# Altium PCB PCB1.PcbDoc (part 1 of 2)
Units mil, origin at the board's own origin, x right, y up, seen from the top; angles counter-clockwise.
Board outline 5511.81 x 2362.21 mil, 2 copper layers (Top Layer, Bottom Layer); 113 components, 117 nets, 483 pads, 150 vias.
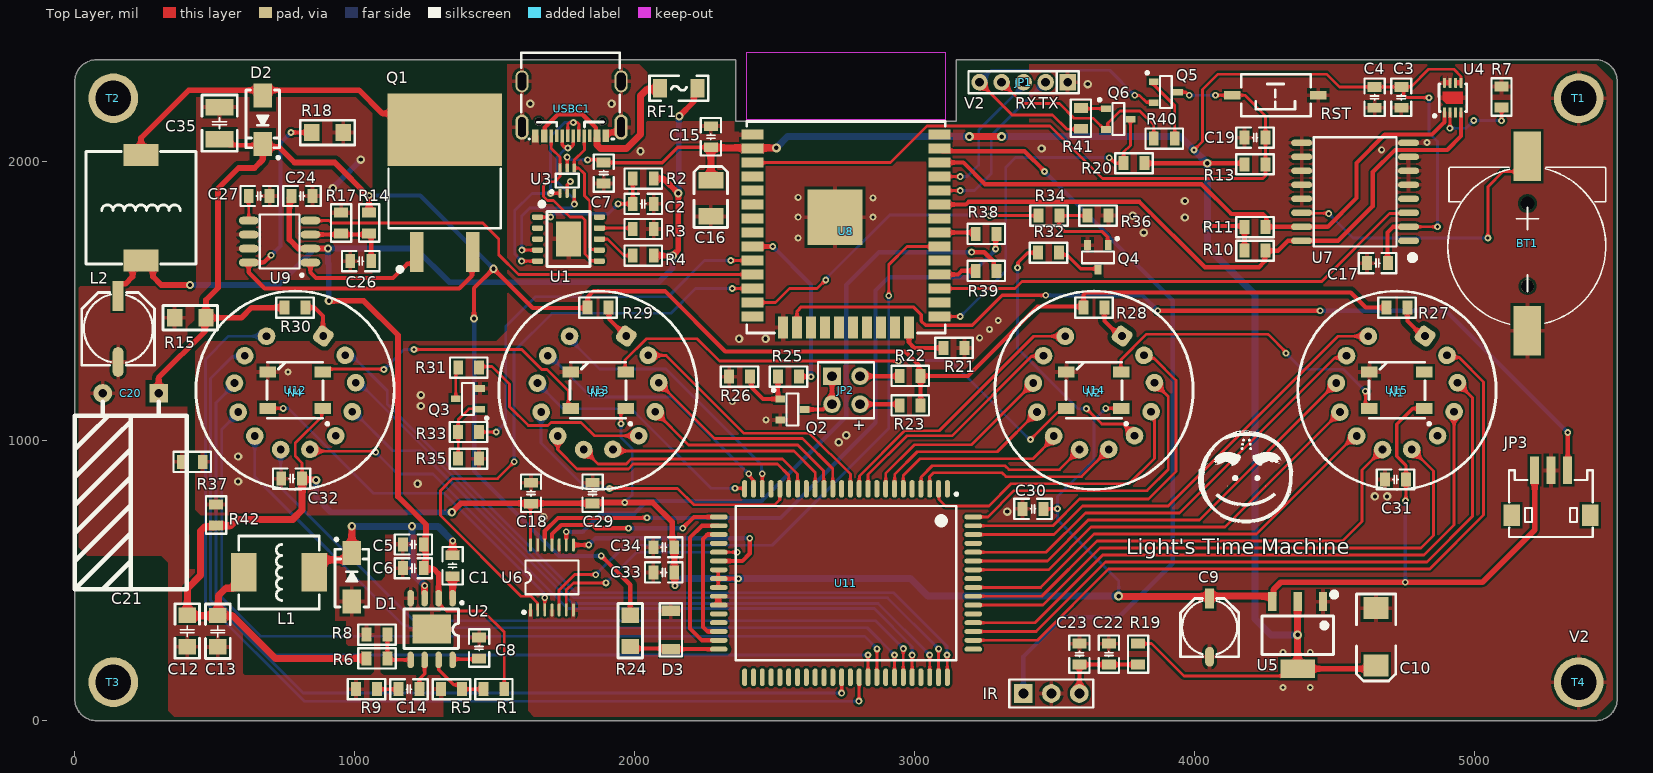
[diagram p0: Top Layer view]
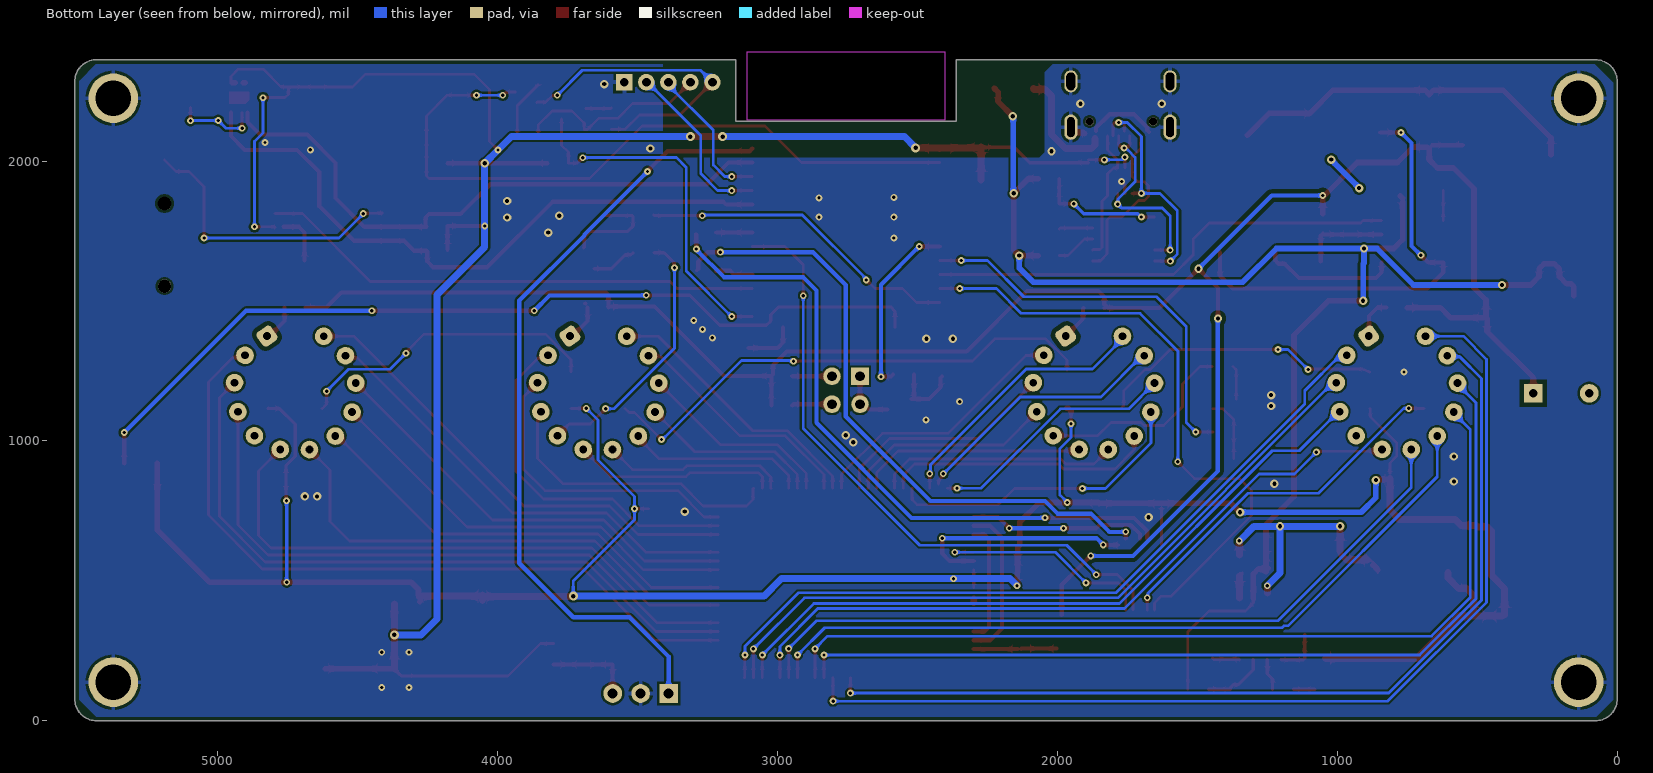
[diagram p1: Bottom Layer view, seen from below]

## Layer stack, top to bottom
Top Solder: solder mask 0.4, Solder Resist, Dk 3.5
Top Layer: signal copper 1.4
Dielectric 1: dielectric 12.6, FR-4, Dk 4.8
Bottom Layer: signal copper 1.4
Bottom Solder: solder mask 0.4, Solder Resist, Dk 3.5

## Board outline
0,78.74 0,2283.46 cw(c78.74,2283.46) 78.74,2362.2 2362.2,2362.2 2362.2,2142.2 3149.61,2142.2 3149.61,2362.2 5433.07,2362.21 cw(c5433.07,2283.46) 5511.81,2283.46 5511.81,78.74 cw(c5433.07,78.74) 5433.07,0 78.74,0 cw(c78.74,78.74)

## Design rules (kind name [scope] priority, off if disabled: settings)
Clearance HV_Clearance [InNetClass('HV')] p1: gap=15 ignorepadtopadclearanceinfootprint=TRUE
Clearance [All] p2: gap=8 ignorepadtopadclearanceinfootprint=TRUE
PlaneConnect [All] p1: planeconnectstyle=Relief reliefexpansion=20 reliefentries=4 reliefconductorwidth=15 reliefairgap=10
PolygonConnect [All] p1: thpad.connectstyle=Relief thpad.reliefconductorwidth=15 thpad.reliefentries=4 thpad.polygonreliefangle="90 Angle" thpad.airgapwidth=10 smdpad.connectstyle=Relief smdpad.reliefconductorwidth=15 smdpad.reliefentries=4 smdpad.polygonreliefangle="90 Angle" smdpad.airgapwidth=10 via.connectstyle=Direct via.reliefconductorwidth=15 via.reliefentries=4 via.polygonreliefangle="90 Angle" via.airgapwidth=10
RoutingVias [All] p1: holewidth=15 width=30 viastyle="Through Hole" minholewidth=12 minwidth=24 maxholewidth=20 maxwidth=42
SolderMaskExpansion [All] p1: expansion=4 istentingtop=FALSE
Width PWR [InNetClass('PWR')] p1: maxlimit=50 minlimit=10 preferedwidth=20
Width [InNetClass('All Nets')] p2: maxlimit=50 minlimit=10 preferedwidth=10
29 further rules are at their usual default settings.

## Classes and differential pairs
net class HV: NetD2_1 NetD3_2 NetN1_13 NetN2_13 NetN3_13 NetN4_13 VH
net class GND: DGND GND
net class PWR: DGND GND V3.3 V5 V12 VBUS VH

## Components (designator, comment, footprint, x,y, rotation, side; value= is the part's Value field where it differs from the comment)
BT1 "CR1220 holder" BAT1220 5190.84,1695 r180 top
C1 "Cap" "C 0805_L" 1350.24,554.09 r270 top value=10nF
C2 "Cap" "C 0805_L" 2031.66,1847.21 r0 top value=1uF
C3 "Cap" "C 0805_L" 4740,2227.6 r90 top value=0.1uF
C4 "Cap" "C 0805_L" 4645,2227.6 r90 top value=4.7uF
C5 "Cap" "C 0805_L" 1210,630 r0 top value=10μF
C6 "Cap" "C 0805_L" 1210,545 r0 top value=10μF
C7 "Cap" "C 0805_L" 1890.24,1956.9 r90 top value=0.1uF
C8 "Cap" "C 0805_L" 1445.24,260.15 r270 top value=0.1uF
C9 "Cap Pol1" "CM C(5*5.4)" 4055.12,333 r90 top value=33μF
C10 "Cap Pol1" "CD C(6032)" 4650,300 r90 top value=22uF
C12 "Cap" "C 1206_L" 402.16,320 r90 top value=22μF
C13 "Cap" "C 1206_L" 511.52,318.94 r90 top value=22μF
C14 "Cap" "C 0805_L" 1194.31,112.76 r0 top value=4.7nF
C15 "Cap" "C 0805_L" 2273.02,2086.99 r90 top value=0.1uF
C16 "Cap Pol1" "CD B(3528)" 2272.97,1867.14 r270 top value=33μF
C17 "Cap" "C 0805_L" 4655,1635 r180 top value=0.1uF
C18 "Cap" "C 0805_L" 1630.44,813.2 r90 top value=0.1uF
C19 "Cap" "C 0805_L" 4217.46,2083.5 r0 top value=1μF
C20 "Cap Pol1" "CAP 5.0*10*16-H - GD" 200,1170 r180 top value="22μF 250V"
C21 "Cap Pol1" "CM D(6.3*7.7)" 155,1400 r90 top value="220uF 16V"
C22 "Cap" "C 0805_L" 3695,238.15 r90 top value=0.1uF
C23 "Cap" "C 0805_L" 3590,238.15 r90 top value=10μF
C24 "Cap" "C 0805_L" 812,1874.99 r180 top value=0.1uF
C26 "Cap" "C 0805_L" 1021.81,1642.21 r0 top value=0.1uF
C27 "Cap" "C 0805_L" 658.93,1875 r0 top value=0.1uF
C29 "Cap" "C 0805_L" 1850.59,813.2 r270 top value=0.1uF
C30 "Cap" "C 0805_L" 3424.22,757.21 r0 top value=0.1uF
C31 "Cap" "C 0805_L" 4719.41,862.2 r0 top value=0.1uF
C32 "Cap" "C 0805_L" 775,865 r0 top value=0.1uF
C33 "Cap" "C 0805_L" 2105,530 r180 top value=0.1uF
C34 "Cap" "C 0805_L" 2105,620 r0 top value=4.7uF
C35 "Cap" "C 1210_L" 517.5,2135.21 r270 top value=1μF
D1 "SK34" SMA 990.24,512.76 r90 top
D2 "US1G" SMA 671.81,2147.21 r270 top
D3 "ZMM75" LL-34 2130,325 r270 top
IR "IR Recv" "HDR2.54-LI-3P - duplicate" 3489.54,97.5 r0 top
JP1 "HDR-1X5" HDR2.0-LI-5P 3390.55,2281.69 r180 top
JP2 "Header2X2" HDR2.54-LI-2x2P 2755.91,1181.1 r270 top
JP3 "HDR-1X3" ZH1.5-WS-3P 5275,735 r0 top
L1 "10uH" CKST0603 730,530 r180 top value=15μH
L2 "Inductor Iron" CD104 236.81,1833.43 r90 top value=150uH
N1 "ИН-8-2" IN8-2 4724.41,1181.1 r180 top locked
N2 "ИН-8-2" IN8-2 3641.73,1181.1 r180 top locked
N3 "ИН-8-2" IN8-2 1870.08,1181.1 r180 top locked
N4 "ИН-8-2" IN8-2 787.4,1181.1 r180 top locked
Q1 "IRF740" TO-263-2L 1321.81,1922.91 r90 top
Q2 "A42" SOT-23-3L 2560.24,1112.21 r0 top
Q3 "A42" SOT-23-3L 1408.84,1150 r180 top
Q4 "A42" SOT-23-3L 3656.24,1659.91 r270 top
Q5 "S8050" SOT-23-3L 3895,2246.33 r0 top
Q6 "S8050" SOT-23-3L 3725,2150 r0 top
R1 "Resistor" "R 0805_L" 1497.64,112.76 r0 top value=100K
R2 "Resistor" "R 0805_L" 2031.66,1937.21 r0 top value=1K
R3 "Resistor" "R 0805_L" 2031.46,1757.21 r180 top value=24K
R4 "Resistor" "R 0805_L" 2031.46,1662.21 r180 top value=10K
R5 "Resistor" "R 0805_L" 1345.97,112.76 r0 top value=33K
R6 "Resistor" "R 0805_L" 1079.92,222.75 r0 top value=59K
R7 "Resistor" "R 0805_L" 5098.25,2228.98 r270 top value=10K
R8 "Resistor" "R 0805_L" 1079.92,307.76 r0 top value=11.3K
R9 "Resistor" "R 0805_L" 1042.64,112.76 r0 top value=8.2K
R10 "Resistor" "R 0805_L" 4217.46,1679.49 r180 top value=3.3K
R11 "Resistor" "R 0805_L" 4217.46,1763.99 r180 top value=3.3K
R13 "Resistor" "R 0805_L" 4217.46,1988.5 r180 top value=10K
R14 "Res Semi" "R 0805_L" 1051.81,1778.71 r270 top value=1.8M
R15 "Resistor" "R 1206_L" 411.81,1440 r0 top value=150K
R17 "Resistor" "R 0805_L" 951.81,1778.71 r270 top value=16K
R18 "Res Semi" "R 1206_L" 902.06,2101.8 r0 top value=50mΩ
R19 "Resistor" "R 0805_L" 3800,238.15 r90 top value=100R
R20 "Resistor" "R 0805_L" 3785.24,1992.21 r180 top value=10K
R21 "Resistor" "R 0805_L" 3141.81,1332.21 r180 top value=10K
R22 "Resistor" "R 0805_L" 2985.24,1232.21 r0 top value=150K
R23 "Resistor" "R 0805_L" 2985.24,1127.21 r0 top value=150K
R24 "Resistor" "R 1206_L" 1985,320.57 r90 top value=68K
R25 "Resistor" "R 0805_L" 2550.24,1229.71 r0 top value=13K
R26 "Resistor" "R 0805_L" 2375.66,1229.7 r0 top value=10K
R27 "Resistor" "R 0805_L" 4724.41,1476.38 r0 top value=18K
R28 "Resistor" "R 0805_L" 3641.73,1476.38 r0 top value=18K
R29 "Resistor" "R 0805_L" 1870.08,1476.38 r0 top value=18K
R30 "Resistor" "R 0805_L" 787.4,1476.38 r0 top value=18K
R31 "Resistor" "R 0805_L" 1407.63,1262 r0 top value=100K
R32 "Resistor" "R 0805_L" 3479.51,1672.35 r180 top value=100K
R33 "Resistor" "R 0805_L" 1407.2,1031.66 r0 top value=20K
R34 "Resistor" "R 0805_L" 3481.24,1804.91 r180 top value=20K
R35 "Resistor" "R 0805_L" 1407.2,936.33 r180 top value=10K
R36 "Resistor" "R 0805_L" 3656.24,1804.91 r180 top value=10K
R37 "Resistor" "R 0805_L" 420,925 r180 top value=0Ω
R38 "Resistor" "R 0805_L" 3256.78,1739.84 r180 top value=22Ω
R39 "Resistor" "R 0805_L" 3256.77,1607.75 r180 top value=22Ω
R40 "Resistor" "R 0805_L" 3893.27,2080 r180 top value=10K
R41 "Resistor" "R 0805_L" 3595,2152.58 r270 top value=10K
R42 "Resistor" "R 0805_L" 505,735 r270 top value=1K
RF1 "FR50-16" "FU 1206" 2158.64,2260.12 r0 top
RST "3x6x5" "TSW SMD-3*6*2.5" 4290,2235 r180 top
T1 "铜柱" 螺丝孔-3mm#1 5588.66,2330.63 r180 top
T2 "铜柱" 螺丝孔-3mm#2 -78.74,2342.52 r180 top
T3 "铜柱" 螺丝孔-3mm#3 -66.34,20.63 r180 top
T4 "铜柱" 螺丝孔-3mm#4 5593.66,10.63 r180 top
U1 "CH224K" ESSOP10 1764.14,1721.21 r0 top
U2 "MP2303" SOIC8E 1275.24,327.76 r270 top
U3 "CH412K" SOT-363 1759.45,1929.8 r0 top
U4 "SHT31" DFN-8 4924.1,2226.58 r90 top
U5 "LT1117-3V3" SOT223_L 4370,305.75 r180 top
U6 "SN74LV4T125" TSSOP14_L 1705.24,512.21 r90 top
U7 "DS3231" SOP16_75MM 4575,1890 r180 top
U8 "ESP32" ESP32 2755.91,2094.49 r0 top locked
U9 "MAX1771" SOIC8 731.81,1712.21 r180 top
U11 "HV57708" HV57708PG 2755.91,492.13 r270 top
U12 "WS2812C" WS2812 787.4,1181.1 r180 top locked
U13 "WS2812C" WS2812 1870.08,1181.1 r180 top locked
U14 "WS2812C" WS2812 3641.73,1181.1 r180 top locked
U15 "WS2812C" WS2812 4724.41,1181.1 r180 top locked
USBC1 "TYPE-C 2.0 -16P" USB-C-SMD_TYPE-C-USB-5 1775.24,2187.21 r180 top locked

## Footprints (in the part's own frame and the unit in brackets; to place one, negate y for a bottom-side part, rotate by r counter-clockwise, add the part's x,y. Pads: shape width x height; smd on the part's side, far side on the other; paste and mask are expansions set on the pad)
BAT1220 [mm]
  round 1.2 hole 1.2 unplated: 0(0,3.607)
  round 1.2 hole 1.3 unplated: 0(0,-3.886)
  rect 2.5x4.5 smd: 1(0,-8.2) 2(0,7.645)
  silkscreen extent -7.11,-7.19 7.22,7.06, body extent -7.38,-9.77 7.37,9.03, height 4.23
"C 0805_L" [mil] "无极性贴片电容                                        淘宝ID:黄晶宝石"
  rect 35x50 smd: 1(-37.4,0) 2(37.4,0)
  silkscreen extent -67,-36 67,36, body extent -39,-24 39,24, height 20
"C 1206_L" [mil] "无极性贴片电容"
  rect 55x62 smd: 1(-55.12,0) 2(57.09,0)
  silkscreen extent -96,-44 98,44, body extent -63,-32 63,32, height 48
"C 1210_L" [mil] "无极性贴片电容                                淘宝ID:黄晶宝石"
  rect 60x100 smd: 1(-57.09,0) 2(57.09,0)
  silkscreen extent -100,-63 100,63, body extent -63,-51 63,51, height 60
"CAP 5.0*10*16-H - GD" [mm] "脚距5mm直径10mm高度16mm"
  rect 1.7x1.7 hole 0.8: 1(-2.54,0)
  round 1.7 hole 0.8: 2(2.54,0)
  silkscreen extent -5.08,0.76 5.08,17.78, body extent -5.04,-0.3 4.97,17.91, height 10.03
CD104 [mm] "10*9*4mm（长宽高）        淘宝ID:黄晶宝石"
  rect 2x3.2 smd: 1(-4.8,0) 2(4.8,0)
  silkscreen extent -5.1,-5 5.1,5, body extent -4.95,-4.5 4.95,4.5, height 4.7
"CD B(3528)" [mm] "长3.5mm，宽2.8mm，厚1.9mm      淘宝ID:黄晶宝石"
  rect 1.5x2.28 smd: 1(-1.65,0) 2(1.65,0)
  silkscreen extent -2.89,-1.52 2.67,1.52, body extent -1.75,-1.4 1.75,1.4, height 1.9
"CD C(6032)" [mm] "长6.0mm，宽3.2mm，厚2.5mm      淘宝ID:黄晶宝石"
  rect 2x2.3 smd: 1(-2.6,0) 2(2.6,0)
  silkscreen extent -4,-1.78 3.89,1.78, body extent -3,-1.6 3,1.6, height 2.5
CKST0603 [mm] "7.4*6.4*3mm（长宽高）"
  rect 2.35x3.5 smd: 1(-3.2,0) 2(3.2,0)
  silkscreen extent -3.65,-3.31 3.65,3.31, body extent -3.85,-3.5 3.85,3.5, height 3.75
"CM C(5*5.4)" [mm] "贴片电解电容，直径5mm，高5.4mm            淘宝ID:黄晶宝石"
  rect 1.8x0.8 smd: 1(2.65,0)
  oval 1.8x0.8 smd: 2(-2.65,0)
  silkscreen extent -2.65,-2.65 2.65,2.65, body extent -2.95,-2.65 2.95,2.65, height 5.4
"CM D(6.3*7.7)" [mm] "贴片电解电容，直径6.3mm，高7.7mm         淘宝ID:黄晶宝石"
  rect 2.7x1 smd: 1(3,0)
  oval 2.7x1 smd: 2(-3,0)
  silkscreen extent -3.3,-3.3 3.3,3.3, body extent -3.5,-3.3 3.5,3.3, height 7.7
DFN-8 [mm] "2.5x2.5x0.5"
  round 0.025 smd: 0(0,0)
  rrect50% 0.9x0.3 smd: 1(-1.34,0.75) 2(-1.34,0.25) 3(-1.34,-0.25) 4(-1.34,-0.75) 5(1.34,-0.75) 6(1.34,-0.25) 7(1.34,0.25) 8(1.34,0.75)
  Top Layer region: -0.55,-0.9 0.55,-0.9 0.55,0.9 -0.248,0.9 -0.55,0.598
  silkscreen extent -1.77,-1.26 1.25,1.77, body extent -1.26,-1.25 1.26,1.25, height 1.03
ESP32 [mm]
  rect 2x0.9 smd: 1(-8.5,0) 2(-8.5,-1.27) 3(-8.5,-2.54) 4(-8.5,-3.81) 5(-8.5,-5.08) 6(-8.5,-6.35) 7(-8.5,-7.62) 8(-8.5,-8.89) 9(-8.5,-10.16) 10(-8.5,-11.43) 11(-8.5,-12.7) 12(-8.5,-13.97) 13(-8.5,-15.24) 14(-8.5,-16.51) 25(8.5,-16.51) 26(8.5,-15.24) 27(8.5,-13.97) 28(8.5,-12.7) 29(8.5,-11.43) 30(8.5,-10.16) 31(8.5,-8.89) 32(8.5,-7.62) 33(8.5,-6.35) 34(8.5,-5.08) 35(8.5,-3.81) 36(8.5,-2.54) 37(8.5,-1.27) 38(8.5,0)
  rect 0.9x2 smd: 15(-5.715,-17.51) 16(-4.445,-17.51) 17(-3.175,-17.51) 18(-1.905,-17.51) 19(-0.635,-17.51) 20(0.635,-17.51) 21(1.905,-17.51) 22(3.175,-17.51) 23(4.445,-17.51) 24(5.715,-17.51)
  rect 5x5 smd: 39(-1,-7.5)
  Keep-Out Layer region: -9,7.493 9,7.493 9,1.333 -9,1.333
  silkscreen extent -9,-18.01 9,1.19, body extent -9,-18.01 9,7.49, height 3.2
ESSOP10 [mm] "ESSOP3.9mm"
  rect 2.3x3.2 smd: 0(0,0)
  rrect50% 1x0.5 smd: 1(-2.8,2) 2(-2.8,1) 3(-2.8,0) 4(-2.8,-1) 5(-2.8,-2) 6(2.8,-2) 7(2.8,-1) 8(2.8,0) 9(2.8,1) 10(2.8,2)
  silkscreen extent -2.61,-2.5 1.95,3.37, body extent -3,-2.45 3,2.45, height 1.55
"FU 1206" [mil] "贴片保险丝"
  rect 50x65 smd: 1(-67.5,0) 2(67.5,0)
  silkscreen extent -105,-45 105,45, body extent -63,-32 63,32, height 34
HDR2.0-LI-5P [mm] "直插，脚距：2.0mm"
  rect 1.5x1.5 hole 0.8: 1(-4,0)
  round 1.5 hole 0.8: 2(-2,0) 3(0,0) 4(2,0) 5(4,0)
  silkscreen extent -5,-1 5,1
HDR2.54-LI-2x2P [mm] "封装库来自淘宝卖家 ID：黄晶宝石"
  rect 1.6x1.6 hole 0.9: 1(-1.27,-1.27)
  round 1.6 hole 0.9: 2(-1.27,1.27) 3(1.27,-1.27) 4(1.27,1.27)
  silkscreen extent -2.54,-2.54 2.54,2.54, body extent -2.54,-2.54 2.54,2.54, height 8.5
"HDR2.54-LI-3P - duplicate" [mm] "排针，3脚"
  rect 1.7x1.7 hole 0.9: 1(-2.54,0)
  round 1.7 hole 0.9: 2(0,0) 3(2.54,0)
  silkscreen extent -3.81,-1.27 3.81,1.27
HV57708PG [mm]
  oval 1.6x0.45 smd: 1(-8.55,9.2) 2(-8.55,8.4) 3(-8.55,7.6) 4(-8.55,6.8) 5(-8.55,6) 6(-8.55,5.2) 7(-8.55,4.4) 8(-8.55,3.6) 9(-8.55,2.8) 10(-8.55,2) 11(-8.55,1.2) 12(-8.55,0.4) 13(-8.55,-0.4) 14(-8.55,-1.2) 15(-8.55,-2) 16(-8.55,-2.8) 17(-8.55,-3.6) 18(-8.55,-4.4) 19(-8.55,-5.2) 20(-8.55,-6) 21(-8.55,-6.8) 22(-8.55,-7.6) 23(-8.55,-8.4) 24(-8.55,-9.2) 41(8.55,-9.2) 42(8.55,-8.4) 43(8.55,-7.6) 44(8.55,-6.8) 45(8.55,-6) 46(8.55,-5.2) 47(8.55,-4.4) 48(8.55,-3.6) 49(8.55,-2.8) 50(8.55,-2) 51(8.55,-1.2) 52(8.55,-0.4) 53(8.55,0.4) 54(8.55,1.2) 55(8.55,2) 56(8.55,2.8) 57(8.55,3.6) 58(8.55,4.4) 59(8.55,5.2) 60(8.55,6) 61(8.55,6.8) 62(8.55,7.6) 63(8.55,8.4) 64(8.55,9.2)
  oval 0.45x1.6 smd: 25(-6,-11.55) 26(-5.2,-11.55) 27(-4.4,-11.55) 28(-3.6,-11.55) 29(-2.8,-11.55) 30(-2,-11.55) 31(-1.2,-11.55) 32(-0.4,-11.55) 33(0.4,-11.55) 34(1.2,-11.55) 35(2,-11.55) 36(2.8,-11.55) 37(3.6,-11.55) 38(4.4,-11.55) 39(5.2,-11.55) 40(6,-11.55) 65(6,11.55) 66(5.2,11.55) 67(4.4,11.55) 68(3.6,11.55) 69(2.8,11.55) 70(2,11.55) 71(1.2,11.55) 72(0.4,11.55) 73(-0.4,11.55) 74(-1.2,11.55) 75(-2,11.55) 76(-2.8,11.55) 77(-3.6,11.55) 78(-4.4,11.55) 79(-5.2,11.55) 80(-6,11.55)
  silkscreen extent -8.2,-10 7,10.15, body extent -8.95,-11.95 8.95,11.95, height 3.4
IN8-2 [mm]
  round 1.6 hole 0.7: 2(2.592,-4.896) 3(4.571,-3.131) 4(5.502,-0.648) 5(5.172,1.985) 6(3.657,4.161) 7(1.305,5.384) 8(-1.347,5.374) 9(-3.69,4.133) 10(-5.187,1.945) 11(-5.497,-0.689) 12(-4.548,-3.164)
  rrect50% 1.6x1.6 hole 0.7 rot 145: 13(-2.556,-4.915)
  silkscreen extent -9,-9 9,9, body extent -9.49,-9.5 9.49,9.5, height 61
LL-34 [mm]
  rect 0.95x1.65 smd: 1(-1.75,0) 2(1.75,0)
  silkscreen extent -2.41,-1.02 2.41,1.02, body extent -1.77,-0.79 1.93,0.79, height 1.6
"R 0805_L" [mil] "1/8W贴片电阻"
  rect 35x50 smd: 1(-37.4,0) 2(37.4,0)
  silkscreen extent -67,-36 67,36, body extent -39,-25 39,25, height 20
"R 1206_L" [mil] "1/4W贴片电阻"
  rect 55x62 smd: 1(-55.12,0) 2(57.09,0)
  silkscreen extent -96,-44 98,44, body extent -63,-31 63,32, height 22
SMA [mm] "4.5x2.6*2.2mm（长宽高，不包括引脚）"
  rect 2.2x1.7 smd: 1(-2.2,0) 2(2.2,0)
  silkscreen extent -2.7,-1.52 3.56,1.52, body extent -2.53,-1.3 2.58,1.3, height 2.15
SOIC8 [mm]
  oval 1.8x0.7 smd: 1(-2.8,1.905) 2(-2.8,0.635) 3(-2.8,-0.635) 4(-2.8,-1.905) 5(2.8,-1.905) 6(2.8,-0.635) 7(2.8,0.635) 8(2.8,1.905)
  silkscreen extent -2.16,-2.45 1.8,3.17, body extent -3.1,-2.5 3.1,2.5, height 1.75
SOIC8E [mm]
  oval 1.5x0.6 smd: 1(-2.8,1.905) 2(-2.8,0.635) 3(-2.8,-0.635) 4(-2.8,-1.905) 5(2.8,-1.905) 6(2.8,-0.635) 7(2.8,0.635) 8(2.8,1.905)
  rect 2.62x3.51 smd: 9(0,0)
  silkscreen extent -2.5,-2.5 1.78,2.88, body extent -3,-2.46 3,2.44
SOP16_75MM [mm]
  oval 1.9x0.6 smd: 1(-4.85,4.445) 2(-4.85,3.175) 3(-4.85,1.905) 4(-4.85,0.635) 5(-4.85,-0.635) 6(-4.85,-1.905) 7(-4.85,-3.175) 8(-4.85,-4.445) 9(4.85,-4.445) 10(4.85,-3.175) 11(4.85,-1.905) 12(4.85,-0.635) 13(4.85,0.635) 14(4.85,1.905) 15(4.85,3.175) 16(4.85,4.445)
  silkscreen extent -5.46,-4.95 3.75,6.22, body extent -5.15,-5.1 5.15,5.1, height 3.5
SOT223_L [mm] "6.4x7x1.6mm(长宽高)"
  rect 0.75x1.7 smd: 1(-2.3,-3.048) 2(0,-3.048) 3(2.3,-3.048)
  rect 3.1x1.7 smd: 2(0,3.048)
  silkscreen extent -3.5,-3.88 3.25,1.75, body extent -3.25,-3.51 3.25,3.51, height 1.65
SOT-23-3L [mm]
  rect 0.9x0.6 smd: 1(-1,0.95) 2(-1,-0.95) 3(1.2,0)
  silkscreen extent -1.72,-1.45 0.64,1.87, body extent -1.16,-1.5 1.34,1.5, height 1.09
SOT-363 [mm]
  rrect50% 0.3x0.8 smd: 1(-0.65,-1.15) 2(0,-1.15) 3(0.65,-1.15) 4(0.65,1.15) 5(0,1.15) 6(-0.65,1.15)
  silkscreen extent -1.52,-1.14 1.05,0.63, body extent -1.1,-1.2 1.1,1.2, height 1.1
TO-263-2L [mm]
  rect 3.6x1.2 smd: 1(-6.3,2.54) 3(-6.3,-2.54)
  rect 6.6x10.4 smd: 2(4.8,0)
  silkscreen extent -8.07,-5.1 1.29,5.1, body extent -7.44,-5.08 7.82,5.08, height 4.88
TSSOP14_L [mm] "5*6.4*1mm（长宽高）封装库来自淘宝卖家 ID：黄晶宝石"
  rect 1.2x0.25 smd: 1(-2.95,1.95)
  oval 1.2x0.25 smd: 2(-2.95,1.3) 3(-2.95,0.65) 4(-2.95,0) 5(-2.95,-0.65) 6(-2.95,-1.3) 7(-2.95,-1.95) 8(2.95,-1.95) 9(2.95,-1.3) 10(2.95,-0.65) 11(2.95,0) 12(2.95,0.65) 13(2.95,1.3) 14(2.95,1.95)
  silkscreen extent -3.3,-2.41 1.52,2.67, body extent -3.2,-2.5 3.2,2.5, height 1.03
"TSW SMD-3*6*2.5" [mm] "3*6*2.5mm"
  rect 1.5x0.8 smd: 1(-3.9,0) 2(3.9,0)
  silkscreen extent -3.21,-1.9 3.09,1.9, body extent -4,-1.75 4,1.75, height 2.59
USB-C-SMD_TYPE-C-USB-5 [mm]
  oval 1.2x2 hole 0.8 slot 1.6 at 90 deg: 0(-4.5,-2.475) 0(4.5,-2.475)
  oval 1.2x2.3 hole 0.7 slot 1.8 at 90 deg: 0(-4.5,1.675) 0(4.5,1.675)
  rect 0.3x1.15 smd: A1(-3.263,2.473) A4(-2.462,2.471) A5(-1.162,2.475) A6(-0.162,2.475) A7(0.337,2.473) A9(2.638,2.475) A12(3.438,2.475) B1(3.138,2.475) B4(2.337,2.475) B5(1.838,2.475) B6(0.838,2.475) B7(-0.663,2.473) B9(-2.162,2.471) B12(-2.963,2.473)
  rect 0.3x1.148 smd: A8(-1.663,2.475) B8(1.337,2.475)
  round 0.75 hole 0.75 unplated: ""(-2.803,1.175) ""(2.978,1.175)
  silkscreen extent -4.38,-5.08 4.56,2.75, body extent -4.34,-5.14 4.6,2.76, height 3.25
WS2812 [mm]
  rect 1.5x1 smd: 1(-2.489,1.65) 2(-2.489,-1.65) 3(2.489,-1.65) 4(2.489,1.65)
  silkscreen extent -3.05,-2.54 2.54,3.17, body extent -2.7,-2.48 2.7,2.52, height 1.55
ZH1.5-WS-3P [mm] "长：7.6mm，宽：6.0mm，高：3.7mm"
  rect 1.5x1.95 smd: 0(-3.568,0) 0(3.568,0)
  rect 0.8x2.5 smd: 1(-1.5,4.05) 2(0,4.05) 3(1.5,4.05)
  silkscreen extent -3.8,-2 3.8,4.06, body extent -3.8,-2 3.8,4.6, height 3.75
螺丝孔-3mm#1 [mm]
  round 4.5 hole 3.2: 1(5.452,2.698)
螺丝孔-3mm#2 [mm]
  round 4.5 hole 3.2: 1(-5.5,3)
螺丝孔-3mm#3 [mm]
  round 4.5 hole 3.2: 1(-5.185,-2.976)
螺丝孔-3mm#4 [mm]
  round 4.5 hole 3.2: 1(5.579,-3.23)

## Part data
BT1: library part BATTERY
C1 C2 C3 C4 C5 C6 C7 C8 C12 C13 C14 C15 C17 C18 C19 C22 C23 C24 C26 C27 C29 C30 C31 C32 C33 C34 C35: "Capacitor", LatestRevisionDate=17-Jul-2002, LatestRevisionNote="Re-released for DXP Platform.", PackageDescription="Radial Cap, Thru-Hole; 2 Leads; 0.3 in Pin Spacing", PackageReference=RAD-0.3, Published=8-Jun-2000, Publisher="Altium Limited"
C9 C10 C16: "Polarized Capacitor (Radial)", LatestRevisionDate=17-Jul-2002, LatestRevisionNote="Re-released for DXP Platform.", PackageReference=RB7.6-15, Published=8-Jun-2000, Publisher="Altium Limited"
C20: library part "Cap Pol1_3", "Polarized Capacitor (Radial)", LatestRevisionDate=17-Jul-2002, LatestRevisionNote="Re-released for DXP Platform.", PackageDescription="Polarized Capacitor (Radial); 2 Leads", PackageReference=RB7.6-15, Published=8-Jun-2000, Publisher="Altium Limited"
C21: library part "Cap Pol1_2", "Polarized Capacitor (Radial)", Voltage=16V, LatestRevisionDate=17-Jul-2002, LatestRevisionNote="Re-released for DXP Platform.", PackageDescription="Polarized Capacitor (Radial); 2 Leads", PackageReference=RB7.6-15, Published=8-Jun-2000, Publisher="Altium Limited"
D1 D2: library part "D Schottky", "Schottky Diode", Code_JEDEC=DO-214-AA, LatestRevisionDate=17-Jul-2002, LatestRevisionNote="Re-released for DXP Platform.", PackageDescription="DO-214-AA/SMB; 2 C-Bend Leads; Body 5.3 x 3.6 mm, inc. leads (LxW)", PackageReference=SMB, Published=8-Jun-2000, Publisher="Altium Limited"
D3: library part 1N5256, "75V/0.5W稳压管", BOM名称=30V/0.5W稳压管, 学习资源=www.ooocke.com, 版权归属="封装库来自淘宝 ID：黄晶宝石"
IR: library part VS1838B, "红外接收头"
JP1: library part "Header 5", "5P接插件", BOM名称=5P接插件, 学习资源=https://shop463601444.taobao.com, 版权归属="封装库来自淘宝 ID：黄晶宝石"
JP2: library part "Header 2X2", "2*2P接插件", BOM名称=2*2P接插件, 学习资源=https://shop463601444.taobao.com, 版权归属="封装库来自淘宝 ID：黄晶宝石"
JP3: library part "Header 3", "3P接插件", BOM名称=3P接插件, 学习资源=https://shop463601444.taobao.com, 版权归属="封装库来自淘宝 ID：黄晶宝石"
L1: library part L-SMD, "CD系列贴片线绕功率电感", BOM名称=功率电感, 学习资源=www.ooocke.com, 淘宝ID="封装库来自淘宝 ID：黄晶宝石"
L2: "Magnetic-Core Inductor", LatestRevisionDate=17-Jul-2002, LatestRevisionNote="Re-released for DXP Platform.", PackageDescription="Axial Device, Thru-Hole; 2 Leads; 0.9 in Pin Spacing", PackageReference=AXIAL-0.9, Published=24-Mar-1999, Publisher="Altium Limited"
Q1: library part NMOS-2, "N-Channel Power MOSFET", ComponentLink1Description="Manufacturer Link", ComponentLink1URL=http://www.irf.com/, DatasheetVersion=PD-9.814, LatestRevisionDate=17-Jul-2002, LatestRevisionNote="Re-released for DXP Platform.", Note="Pin 2 is electrically connected to pin 4.", PackageDescription="TO, Thru-Hole, Vertical, Heatsink Mounted; 3 In-Line Leads; Pitch 2.54 mm", PackageReference=TO-220AB, PackageVersion=Feb-1997, Published=8-Jun-2000, Publisher="Altium Limited"
Q2 Q3 Q4 Q5 Q6: library part NPN, "NPN Bipolar Transistor", Code_JEDEC=TO-226-AA, LatestRevisionDate=17-Jul-2002, LatestRevisionNote="Re-released for DXP Platform.", PackageReference=TO-226, Published=8-Jun-2000, Publisher="Altium Limited"
R14 R18: "Semiconductor Resistor", LatestRevisionDate=17-Jul-2002, LatestRevisionNote="Re-released for DXP Platform.", PackageReference=AXIAL-0.5, Published=8-Jun-2000, Publisher="Altium Limited"
RF1: library part PPTC, "PPTC自恢复保险丝", Current=500mA, BOM名称=PPTC自恢复保险丝
RST: library part "TSW 3x6", "3x6轻触开关", BOM名称=3x6轻触开关, 学习资源=https://shop463601444.taobao.com, 版权归属="封装库来自淘宝 ID：黄晶宝石"
U1: "PD协议受电芯片"
U2: "DC-DC降压芯片。4.75V-28V，3A"
U3: "四路ESD保护"
U4: library part SHT3x, "Humidity and Temperature Sensor"
U5: library part AMS1117, "三端稳压芯片", BOM名称=稳压芯片, 学习资源=www.ooocke.com, 版权归属=源创客
U6: "单电源4路逻辑电平转换"
U12 U13 U14 U15: library part WS2812, "RGB发光管"
USBC1: library part "USB2.0 Type-C 16Pin母座", "USB2.0 Type-C 母座 16Pin", BOM_Manufacturer=LCSC, BOM_Manufacturer Part=-, BOM_Supplier=LCSC, spicePre=U, spiceSymbolName="TYPE-C 3.1 -16P_C168689"
R1 R2 R3 R4 R5 R6 R7 R8 R9 R10 R11 R13 R15 R17 R19 R20 R21 R22 R23 R24 R25 R26 R27 R28 R29 R30 R31 R32 R33 R34 R35 R36 R37 R38 R39 R40 R41 R42: LatestRevisionDate=17-Jul-2002, LatestRevisionNote="Re-released for DXP Platform.", PackageReference=AXIAL-0.5, Published=8-Jun-2000, Publisher="Altium Limited"

## Via types
v1: diameter 24, hole 12, Top Layer to Bottom Layer, tented both sides, 68 vias
v2: diameter 25, hole 12, Top Layer to Bottom Layer, tented both sides, 40 vias
v3: diameter 30, hole 15, Top Layer to Bottom Layer, tented both sides, 37 vias
v4: diameter 32, hole 16, Top Layer to Bottom Layer, tented both sides, 5 vias

## Nets (pads, with @x,y where several pads share a name; then routed paths per layer and width w, separated by ;. In a path a pad name is that pad's centre, name@x,y a point inside that pad or via, vN(x,y) a via of type N, cw(c..) or ccw(c..) an arc to the next point about the centre after c; other vN are vias at no path point)
Boost_OnOff_ESP: U8.11 U9.4 | length 1692.4
  Top Layer w10: U9.4@842.05,1787.21 908.33,1787.21 916.83,1778.71 1018.43,1778.71 1018.52,1778.61 1085.09,1778.61 1085.19,1778.71 1458.14,1778.71 1515,1721.84 1515,1665 1585.51,1594.49 U8.11@2421.26,1594.49
CC1: U1.7 U3.4 USBC1.A5 | length 482.7
  Top Layer w10: USBC1.A5@1821,2089.77 1821,2039.43 1785.04,2003.47 U3.4@1785.04,1975.08 1800.33,1975.08 1821,1954.41 1821,1876.09 1840.91,1856.19 1840.91,1691.55 1848.57,1683.89 1872.32,1683.89 U1.7@1874.37,1681.84
CC2: U1.6 U3.6 USBC1.B5 | length 634.7
  Top Layer w10: USBC1.B5@1702.89,2089.77 1702.89,2044.86 1733.86,2013.89 U3.6@1733.86,1975.08 1733.86,1944.33 1715.33,1925.79 1689.07,1925.79 1674.95,1911.68 1674.95,1873.96 1689.89,1859.02 1711.02,1859.02 1770.09,1799.95 1812.05,1799.95 1822.91,1789.09 1822.91,1667.86 1847.41,1643.36 1873.48,1643.36 U1.6@1874.37,1642.47
CLK_ESP: R39.1 U6.9 | length 2288.4
  Top Layer w10: v2(3205,1674.15) v2@3205.1,1674.25 ; R39.1@3284.12,1613.75 R39.1@3290.04,1607.83
  Top Layer w15: 1756.42,652.09 v1(1756.42,675) ; v2@3205.1,1674.25 3249.86,1674.25 3284.12,1640 R39.1@3284.12,1613.75
  Bottom Layer w10: v2@3202.82,1674.15 v2(3205,1674.15)
  Bottom Layer w15: v1(1756.42,675) 1815,675 1880,740 2000,740 2045,785 2454.61,785 2756.81,1087.21 2756.81,1556.81 2874.15,1674.15 v2@3202.82,1674.15
CLK_HV: U6.8 U11.30 | length 815.8
  Top Layer w15: U6.8@1784.59,628.35 v1(1836.26,628.35) ; U11.30@2299.21,570.87 2385.47,570.87 2411.81,597.21 v1(2411.81,652.36)
  Bottom Layer w15: v1(1836.26,628.35) 1860.27,652.36 v1(2411.81,652.36)
DATA_B1: U11.26 U11.39 | length 560.2
  Top Layer w15: U11.39@2299.21,287.4 2241.61,287.4 2198.83,330.19 2198.83,654.22 2241.46,696.85 U11.26@2299.21,696.85
DATA_B2: U11.27 U11.38 | length 436.5
  Top Layer w15: U11.38@2299.21,318.9 2261.1,318.9 2245,335 2245,650 2260.35,665.35 U11.27@2299.21,665.35
DATA_ESP: R38.1 U6.12 | length 2384.4
  Top Layer w10: R38.1@3290.7,1736.36 R38.1@3294.18,1739.85
  Top Layer w15: 1679.65,652.09 1679.65,678.01 1726.64,725 v1(2045,725) ; v2(3290.7,1685.76) R38.1@3290.7,1736.36
  Bottom Layer w15: v1(2045,725) 2521.93,725 2861.81,1064.88 2861.81,1537.93 2908.88,1585 3192.12,1585 v2@3289.51,1682.39
DATA_HV: U6.11 U11.25 | length 644.1
  Top Layer w15: 1705.24,652.09 1705.24,666.91 1738.33,700 1850.59,700 1862.5,688.09 v1(1978.56,688.09) ; v1(2172.28,688.09) 2212.54,728.35 U11.25@2299.21,728.35
  Bottom Layer w15: v1(1978.56,688.09) v1(2172.28,688.09)
DGND: BT1.2 C2.2 C3.1 C4.1 C7.1 C9.2 C10.2 C15.2 C16.2 C17.2 C18.2 C19.1 C22.2 C23.2 C29.1 C30.1 C31.1 C32.1 C33.2 C34.1 D3.1 IR.2 JP1.1 JP3.2 Q2.2 Q3.2 Q4.2 R3.1 R7.1 R21.1 R26.1 R35.1 R36.1 R37.1 R42.1 RST.1 T1.1 T2.1 T3.1 T4.1 U1.0 U3.2 U4.0 U4.7 U4.8 U5.1 U6.1 U6.4 U6.7 U6.10 U6.13 U7.5 U7.6 U7.7 U7.8 U7.9 U7.10 U7.11 U7.12 U7.13 U8.1 U8.15 U8.38 U8.39 U11.34 U11.35 U12.3 U13.3 U14.3 U15.3 USBC1.0 USBC1.A1 USBC1.A12 USBC1.B1 USBC1.B12 | length 157
  Top Layer w12: U3.2@1759.45,1884.52 1759.45,1915.4 v2(1771.04,1926.99)
  Top Layer w20: USBC1.0@1598.07,2121.26 1598.07,2114.98 USBC1.0@1610.65,2102.4 ; USBC1.A1@1903.68,2098.37 1907.78,2102.46 1939.81,2102.46 1952.4,2115.05 USBC1.0@1952.4,2121.26 ; U11.35@2299.21,420.89 U11.34@2299.21,437.38 ; 4902.43,2279.34 U4.7@4909.78,2279.34
  other v1: 4317.5,118.91 4415,118.91 4317.5,245 4415,245 761.86,1246.06 3300,1430
  other v2: 2470,1075 2350,1140 3233.56,1368.21 3268.68,1398.5 2585,1725 2585,1799.21 2852.44,1799.21 2852.44,1868.77 2585,1870 4669.84,2039.81 4831.71,2066.5
  other v3: 1674.6,727.21 3331.81,747.21 4645.69,801.84 4689.5,801.84 1225,847 583.78,855 583.78,944.34 2730.16,995 2756.81,1020 1236.81,1124.63 1236.81,1163.82 2373.89,1365 2468.63,1365 3820,1744.29 3966.81,1798.25 3780.88,1804.42 3966.81,1857.21 2021.59,2035.21 3455,2045 1627.44,2205 1918.49,2205 3620,2275
DM: U1.5 U3.1 USBC1.A7 USBC1.B7 | length 850.9
  Top Layer w10: v2@1596.81,1642.21 v2(1597.07,1642.47) U1.5@1653.9,1642.47 ; v2(1700.45,1884.52) U3.1@1733.86,1884.52 ; USBC1.A7@1761.95,2107.21 1761.95,2131.84 1767.81,2137.69 v2(1781.64,2137.69) 1795.46,2137.69 1801.32,2131.84 USBC1.B7@1801.32,2089.83
  Bottom Layer w10: v2(1597.07,1642.47) 1571.94,1667.6 1571.94,1822.34 1634.13,1884.52 v2(1700.45,1884.52) 1700.45,2087.33 1750.82,2137.69 v2(1781.64,2137.69)
DOT1: R25.2 U8.9 | length 640.9
  Top Layer w15: U8.9@2421.26,1694.49 v1(2494.53,1694.49) ; R25.2@2587.63,1237.2 2595.13,1229.7 v1(2630.91,1229.7)
  Bottom Layer w15: v1(2494.53,1694.49) 2630.91,1558.11 v1(2630.91,1229.7)
DP: U1.4 U3.3 USBC1.A6 USBC1.B6 | length 768.4
  Top Layer w10: v2@1597.07,1682.21 v2(1597.44,1681.84) U1.4@1653.9,1681.84 ; USBC1.B6@1742.26,2089.77 1742.26,2056.94 1749.64,2049.56 ; v2(1761.81,2046.69) 1771.65,2046.69 1781.63,2056.67 USBC1.A6@1781.63,2089.77 ; v2(1785.04,1846.21) U3.3@1785.04,1884.52
  Bottom Layer w10: v2(1597.44,1681.84) 1597.44,1803.63 1626.01,1832.21 1771.04,1832.21 v2(1785.04,1846.21) 1784.22,1847.04 1784.22,1864.27 1722.69,1925.79 1722.69,2013.08 1748.89,2039.28 1750.34,2039.28 1757.75,2046.69 v2(1761.81,2046.69)
DTR: JP1.4 Q6.2 R40.2 | length 724.5
  Top Layer w10: JP1.4@3311.81,2281.69 3388.3,2205.21 3518.89,2205.21 3571.51,2152.58 3639.74,2152.58 3679.72,2112.6 3691.54,2112.6 3691.54,2135.77 3734.71,2178.95 3805.34,2178.95 3855.87,2128.41 R40.2@3855.87,2080
EN: C19.2 Q5.3 R13.1 RST.2 U8.3 | length 2536.6
  Top Layer w10: U8.3@2421.26,1994.49 2915.08,1994.49 3045.8,2125.21 3484.38,2125.21 3672.38,1937.21 4245.24,1937.21 4254.87,1946.83 R13.1@4254.87,1988.5 C19.2@4254.86,2083.49 4254.86,2161.39 4181.25,2235 RST.2@4136.46,2235 v1(4076.06,2235) ; Q5.3@3937.61,2246.33 3970.03,2246.33 3981.36,2235 v1(3982.36,2235)
  Bottom Layer w10: v1(3982.36,2235) v1(4076.06,2235)
GND: C5.1 C6.1 C8.1 C12.1 C13.1 C20.2 C21.2 C24.1 C26.1 C27.2 C35.1 D1.1 R5.1 R8.1 R9.1 R15.1 R17.1 R18.2 R37.2 U2.4 U2.9 U9.6 U9.7 | length 145.7
  Bottom Layer w20: v3@920.59,1901.48 v3(922.5,1903.39) 922.5,1904.64 1021.81,2003.95 v3(1021.81,2005.21)
IN1-0: N1.12 U11.66 | length 2653.2
  Top Layer w10: U11.66@3212.6,287.4 3439.32,287.4 3694.12,542.21 4841.81,542.21 5034.37,734.77 5034.37,1210.63 4947.05,1297.95 4911.17,1297.95 N1.12@4903.45,1305.68
IN1-1: N1.2 U11.78 | length 1703.2
  Top Layer w10: U11.78@3212.6,665.35 3499.07,665.35 3600.92,767.21 3907.21,767.21 4513.86,1373.86 N1.2@4622.35,1373.86
IN1-2: N1.3 U11.76 | length 1622.6
  Top Layer w10: U11.76@3212.6,602.36 3471.44,602.36 3611.28,742.21 3947.21,742.21 4501.25,1296.25 4536.36,1296.25 N1.3@4544.47,1304.36
IN1-3: N1.4 U11.75 | length 1558.5
  Top Layer w10: U11.75@3212.6,570.87 3475.3,570.87 3621.63,717.21 4018.38,717.21 N1.4@4507.8,1206.63
IN1-4: N1.5 U11.74 | length 1541.6
  Top Layer w10: U11.74@3212.6,539.37 3479.16,539.37 3631.99,692.21 4110.05,692.21 N1.5@4520.79,1102.94
IN1-5: N1.6 U11.72 | length 1591.9
  Top Layer w10: U11.72@3212.6,476.38 3451.52,476.38 3642.34,667.21 4222.21,667.21 4572.27,1017.27 N1.6@4580.43,1017.27
IN1-6: N1.7 U11.71 | length 1785.3
  Top Layer w10: U11.71@3212.6,444.88 3455.38,444.88 3652.7,642.21 4530,642.21 4599.6,711.81 4599.6,895.68 N1.7@4673.05,969.13
IN1-7: N1.8 U11.70 | length 2085.4
  Top Layer w10: U11.70@3212.6,413.39 3459.24,413.39 3663.06,617.21 4810.74,617.21 4855,661.46 4855,891.97 N1.8@4777.43,969.54
IN1-8: N1.10 U11.68 | length 2265.5
  Top Layer w10: U11.68@3212.6,350.39 3431.6,350.39 3673.41,592.21 4821.1,592.21 4928.64,699.75 N1.10@4928.64,1104.54
IN1-9: N1.11 U11.67 | length 2452.9
  Top Layer w10: U11.67@3212.6,318.9 3435.46,318.9 3683.77,567.21 4831.46,567.21 4995,730.75 4995,1154.04 N1.11@4940.83,1208.21
IN2-0: N2.12 U11.79 | length 1317.7
  Top Layer w10: U11.79@3212.6,696.85 3495.21,696.85 3590.57,792.21 3836.81,792.21 3935,890.39 3935,1216.47 3855.63,1295.84 3830.61,1295.84 N2.12@3820.77,1305.68 3832.41,1294.03 3853.82,1294.03
IN2-1: N2.2 U11.11 | length 986.8
  Top Layer w10: U11.11@2803.15,830.71 2803.94,831.5 2803.94,874.69 2965.39,1036.14 3089.28,1036.14 3427,1373.86 N2.2@3539.67,1373.86
IN2-2: N2.3 U11.10 | length 852.2
  Top Layer w10: U11.10@2834.65,830.71 2834.65,879.94 2972.85,1018.14 3134.91,1018.14 3419.18,1302.42 3459.85,1302.42 N2.3@3461.79,1304.36
IN2-3: N2.4 U11.8 | length 714.3
  Top Layer w10: U11.8@2897.64,830.71 2897.64,883.74 3000.04,986.14 3204.64,986.14 N2.4@3425.12,1206.63
IN2-4: N2.5 U11.7 | length 650.5
  Top Layer w10: U11.7@2929.13,830.71 2930.39,831.97 2930.39,881.14 3010.39,961.14 3296.31,961.14 N2.5@3438.11,1102.94
IN2-5: N2.6 U11.6 | length 645
  Top Layer w10: U11.6@2960.63,830.71 2960.63,876.02 3020.75,936.14 3423.58,936.14 3497.75,1010.31 N2.6@3497.75,1017.27
IN2-6: N2.7 U11.4 | length 658.9
  Top Layer w10: U11.4@3023.62,830.71 3025.1,832.19 3025.1,871.93 3064.31,911.14 3324.23,911.14 3338.17,897.21 3518.45,897.21 N2.7@3590.37,969.13
IN2-7: N2.8 U11.3 | length 733.7
  Top Layer w10: U11.3@3055.12,830.71 3054.43,831.39 3054.43,871.71 3068.87,886.14 3313.88,886.14 3327.82,872.21 3597.43,872.21 N2.8@3694.76,969.54
IN2-8: N2.10 U11.2 | length 1063
  Top Layer w10: U11.2@3086.61,830.71 3088.09,829.23 3088.09,790.93 3111.3,767.72 3266.97,767.72 3346.46,847.21 3768.17,847.21 3858.58,937.61 3858.58,1068.25 3857.61,1069.22 3857.61,1092.89 N2.10@3845.96,1104.54
IN2-9: N2.11 U11.80 | length 1095.4
  Top Layer w10: U11.80@3212.6,728.35 3262.95,728.35 3356.81,822.21 3831.46,822.21 3907.21,897.95 3907.21,1159.16 N2.11@3858.15,1208.21
IN2-comma: R34.2 U8.13 | length 1155.8
  Top Layer w10: U8.13@2421.26,1494.49 2504.12,1494.49 2554.12,1544.49 2652.59,1544.49 v1(2683.1,1575) ; v1(3269.51,1804.91) 3441.55,1804.91 R34.2@3443.85,1807.21
  Bottom Layer w10: v1(2683.1,1575) 2683.1,1577.98 2912.33,1807.21 3267.21,1807.21 v1(3269.51,1804.91)
IN3-0: N3.12 U11.12 | length 948.8
  Top Layer w10: N3.12@2049.11,1305.68 2113.27,1305.68 2391.85,1027.09 2625.7,1027.09 2771.65,881.14 U11.12@2771.65,830.71
IN3-1: N3.2 U11.22 | length 967.1
  Top Layer w10: U11.22@2456.69,830.71 v1(2456.69,882.21)
  Bottom Layer w10: N3.2@1768.02,1373.86 1768.02,1364.22 1875,1257.24 2111.77,1257.24 2454.01,915 2454.01,884.88 v1(2456.69,882.21)